# KiCad board pcb.kicad_pcb (continued)
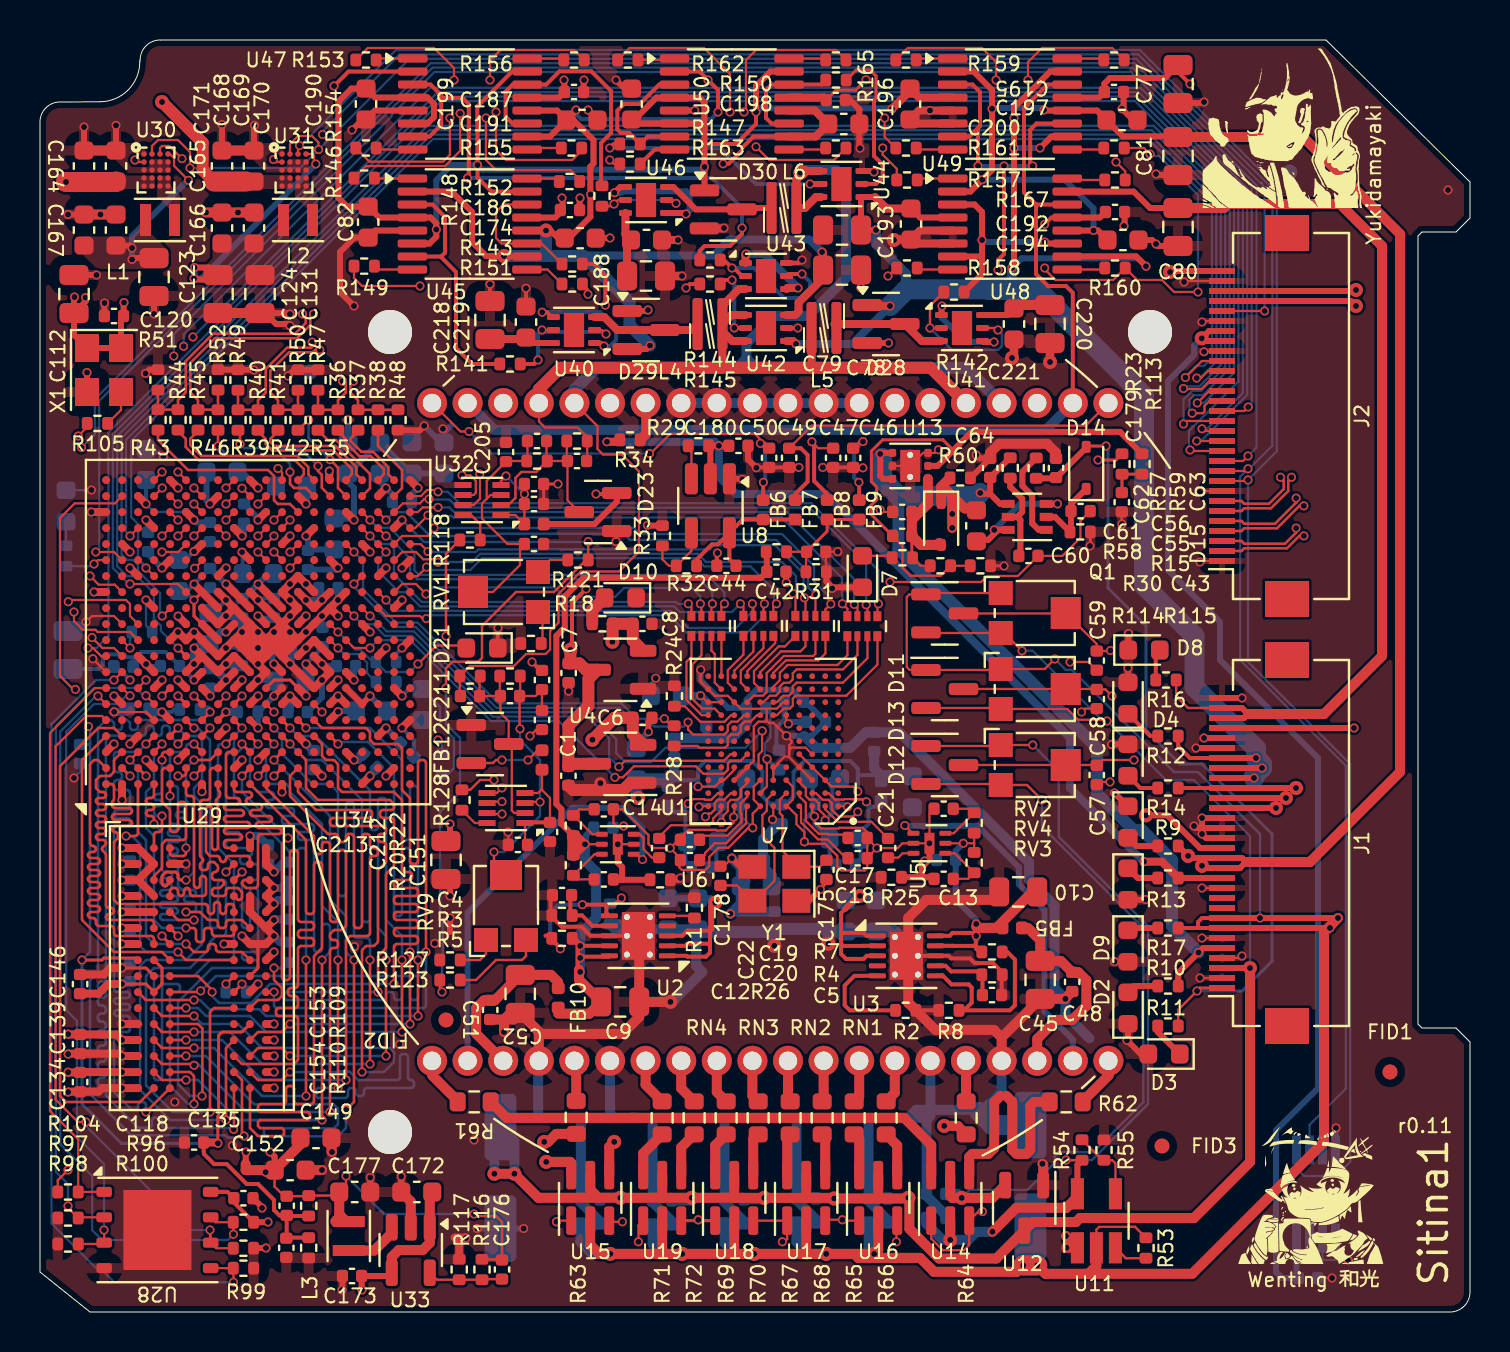
[diagram p0: board, top side]
## Routing (per net, layer and track width the routed paths; a pad name or vN(x,y) marks a point on that pad's centre or on a via; arc(x,y) is an arc through that point) (continued)
  Top w1: v3(49.86,2.33) v3(49.16,2.33)
  In2.Cu w1.5: v1(64.9,19.7) 64.9,22.7 66.1,23.9 66.1,28.8 v1(65.7,29.2)
  Bottom w0.12: v1(50.74,32.65) 51.28,32.11 51.59,32.11 56.7,27 57.9,27 61,23.9 v1(61,19.7)
  Bottom w0.5: C73.2 34.23,3.44 34.77,2.91 v2(35.71,2.91) ; v2(32.11,2.91) 31.12,2.91 30.63,3.4 C74.2 ; C72.2 41.43,3.19 v2(41.71,2.91) ; v2(39.31,2.91) 38.42,2.91 37.82,3.51 37.82,4.42 37.83,4.43 C71.2 ; v2(28.51,2.91) 27.62,2.91 27.02,3.51 C75.2
  Bottom w1: v3(49.86,2.33) v3(49.16,2.33) 49.52,2.69 49.52,5.16
-8VA: length 45.5
  Top w0.3: J1.12 R13.2 ; C180.2 R29.1 33.52,43.22 U8.2
  Top w0.4: v1(28.34,43.51) 28.9,43.51 R34.1 ; R13.2 56.09,22.52 v1(55.2,22.52)
  Bottom w0.4: v1(55.2,22.52) 55.18,22.52 51.5,26.2 51.5,28.7 39.3,40.9 34.8,40.9 33.94,41.76 v1(33.94,43.31) 33.75,43.51 v1(28.34,43.51)
-9V: length 187
  Top w0.2: J1.24 57.5,27.7 56.91,28.29 R12.2 ; v1(35.8,60) 35.8,59.4 34.8,58.4 33.22,58.4 ; U47.15 23.61,62.03 21.87,60.28 21.87,59.52 21.88,59.51 21.88,56.72 22.57,56.03 U45.15
  Top w0.3: 33.22,59.18 32.97,59.43 29.78,59.43 C199.1 29.72,59.63 30.82,60.73 32.97,60.73 33.22,60.48 33.22,59.18 ; 33.22,59.18 D30.1 ; J1.24 v1(60.8,27.7) ; D29.1 30.35,50.05 v1(30.4,50.1) ; 18.62,53.43 19.47,53.43 19.81,53.77 v1(19.81,54.13) 19.81,54.44 19.53,54.73 16.96,54.73 C82.1 15.35,55.27 14.93,55.7 14.93,60.53 15.57,61.18 C190.1 16.75,60.73 19.38,60.73 19.7,60.4 19.7,59.75 19.37,59.43 18.64,59.43 ; J1.23 v1(61.1,27.2) ; C78.1 v1(41.8,54.1) ; C193.1 44,54.73 45.64,54.73 ; v1(35.8,60) 35.8,61.3 36.53,62.03 U50.15 ; v1(55.3,52.29) 54.81,52.78 51.37,52.78 U48.10 ; 41.75,55.75 U44.1 41.05,55.7 41.05,54 ; U49.10 50.57,58.78 v1(50,58.2) ; J1.22 v1(60.7,26.7) ; v1(48.6,52.2) 48.7,52.3 v1(48.7,59.7) 48.7,60.21 50.51,62.03 U49.15
  Top w0.4: D28.1 41.41,50.3 v1(42.5,50.3) ; v1(42.6,60.16) 43.5,61.06 C196.1 43.95,60.73 45.64,60.73 ; v1(37.8,48.4) 37.65,48.55 U42.1 ; 41.75,55.75 42.32,55.18 C193.1
  In2.Cu w0.3: v1(48.7,59.7) 48.59,59.59 43.17,59.59 v1(42.6,60.16)
  In2.Cu w0.4: v1(30.4,50.1) 31.3,50.1 33,48.4 v1(37.8,48.4)
  Bottom w0.3: v1(55.3,52.29) 54.9,52.69 49.09,52.69 v1(48.6,52.2) ; v1(42.6,60.16) 42.57,60.19 35.99,60.19 v1(35.8,60) ; v1(33.22,57.25) 33.09,57.12 22.11,57.12 v1(21.88,57.35) 20.57,57.35 19.81,56.59 v1(19.81,54.13) ; v1(50,58.2) v1(48.7,58.2)
  Bottom w0.4: v1(42.5,50.3) 40.6,48.4 v1(37.8,48.4)
  Bottom w0.5: 43.3,51.1 43.3,51.9 41.8,53.4 v1(41.8,54.1) ; 43.3,51.1 48,51.1 48.6,51.7 v1(48.6,52.2) ; 43.3,51.1 v1(42.5,50.3)
  Bottom w1: v1(42.5,50.3) 43.34,51.14 47.44,51.14 47.47,51.1 49.9,51.1 55.2,45.8 55.2,36.33 57.72,33.8 57.72,31.25 60.8,28.18 v1(60.8,27.7) 61.1,27.4 v1(61.1,27.2) 60.7,26.8 v1(60.7,26.7)
-15V: length 41.8
  Top w0.12: R11.2 56.91,15.11 v1(57.85,16.05)
  Top w0.15: v1(53.3,43.3) 52.36,43.3 D14.2 ; v1(57.85,16.05) 58,16.2 J1.1
  Top w0.3: R59.2 50.78,41.69 52.31,43.22 D14.2
  Bottom w0.15: v1(57.85,16.05) 60.11,16.05 61.6,17.54 61.6,23.9 58.1,27.4 57,27.4 55.3,29.1 55.3,34.3 53.4,36.2 53.4,43.2 v1(53.3,43.3)
/afe/AVDDA: length 6.3
  Top w0.11: v1(40.38,25.26) 40.35,25.29 U7.A1 ; v1(39.26,24.58) 39.26,24.81 38.94,25.12 38.94,25.43 38.75,25.62 38.47,25.62 38.29,25.8 38.29,26.17 37.96,26.5 U7.C4
  Bottom w0.2: v1(40.38,25.26) 40.25,25.39 39.59,25.39 39.59,25.42 ; 39.59,25.42 39.62,25.45 39.62,26.21 39.52,26.31 39.52,26.66 ; 39.59,25.42 39.59,24.92 v1(39.26,24.58)
/afe/AVDDB: length 6.7
  Top w0.11: v1(34.07,24.48) 34.16,24.58 34.16,24.81 34.39,25.04 34.39,25.46 34.54,25.61 34.87,25.61 35.04,25.78 35.04,26.14 35.36,26.46 U7.C8 ; U7.A11 32.98,25.29 v1(32.95,25.25)
  Bottom w0.2: C26.2 34.03,26.15 33.76,26.42 C25.2 ; C26.2 34.03,24.52 v1(34.07,24.48) ; C26.2 33.06,25.37 v1(32.95,25.25)
/afe/AVSS: length 32.8
  Top w0.11: C175.1 39.32,21.43 v1(39.02,21.13) ; 33.31,24.76 v1(33.27,24.76) 33.44,24.93 33.55,24.93 33.74,25.12 33.74,25.45 33.91,25.62 34.22,25.62 34.54,25.94 U7.B9 ; v1(34.59,22.69) 34.19,22.29 C178.1 ; v1(40.89,25.01) 40.66,24.78 39.93,24.78 39.59,25.12 39.59,25.44 39.42,25.61 39.13,25.61 38.8,25.94 U7.B3
  Top w0.3: 37.92,20.56 38.45,20.56 v1(39.02,21.13) ; v1(34.59,22.69) 35.02,22.26 35.72,22.26
  In2.Cu w0.3: 34.24,23.04 33.27,24.01 v1(33.27,24.76) ; 34.24,23.04 34.01,22.81 34.01,21.71 35.11,20.61 36.31,20.61 35.62,19.91 v1(34.52,19.91) ; 34.24,23.04 v1(34.59,22.69) ; v1(40.89,25.01) 40.91,24.99 40.91,22.41 39.63,21.13 v1(39.02,21.13)
  In2.Cu w1: v1(39.02,21.13) 36.83,21.13 36.31,20.61
  Bottom w0.5: R27.1 34.63,20.02 v1(34.52,19.91) 35.04,20.43 C37.2 ; v1(34.59,22.69) 35.04,22.25 C37.2 ; C36.2 35.27,21.54 C37.2
/afe/AVSSA: length 41.6
  Top w0.11: C18.2 C17.2 ; C18.2 41.36,22.2 41.24,22.08 40.07,22.08 39.86,22.28 39.86,22.8 39.26,23.41 38.32,23.41 v3(38.22,23.51) 38.22,23.99 37.82,24.39 37.82,24.84 37.37,25.29 U7.A5 37.64,25.62 37.64,26.26 U7.C5 ; C18.2 41.36,22.71 v1(41.85,23.2) ; C17.2 41.36,23.99 41.13,24.21 39.97,24.21 39.93,24.17 39.06,24.17 38.73,24.51 38.73,24.79 ; C17.2 41.36,23.68 v1(41.85,23.2) ; v1(41.85,23.2) 42.88,23.2 43.12,23.44 U5.2 v1(44.47,23.44) ; C11.2 44.47,24.93 v1(44.47,23.44) ; 38.77,24.75 38.61,24.9 U7.A3 ; v1(44.23,22.55) 44.47,22.55 v1(44.47,23.44) ; 44.47,21.89 C13.2
  Top w0.3: 44.09,22.24 44.47,22.63 v1(44.47,23.44) ; 44.09,22.24 44.09,21.74 ; 44.09,22.24 44.09,22.41 v1(44.23,22.55) ; C13.2 44.63,21.74 44.09,21.74 ; 44.09,21.74 R25.1
  In3.Cu w1: 42.81,23.2 v1(41.85,23.2) ; 42.81,23.2 38.81,23.2 38.42,23.59 38.42,24.79 ; 42.81,23.2 44.07,23.2 44.47,22.79 ; 44.23,22.56 44.24,22.56 44.47,22.79 ; v1(44.47,23.44) 44.47,22.79
  Bottom w0.11: 38.77,24.75 38.73,24.79 38.69,24.75 38.35,24.75 38.22,24.62 v3(38.22,23.51) ; v1(41.85,23.2) 41.79,23.2 ; C15.2 44.29,22.6 v1(44.23,22.55)
  Bottom w0.2: 38.73,24.79 38.73,24.4 C39.2 39.48,22.69 C38.2 ; C23.1 38.63,26.48 38.63,25.03 38.35,24.75
  vias: v3(38.72,24.79)
/afe/AVSSB: length 40.9
  Top w0.11: v3(34.68,24.75) 34.71,24.78 U7.A9 ; v1(31.51,23.2) 30.63,23.2 30.42,23.41 30.42,23.85 29.14,25.14 C14.2 28.67,24.46 28.83,24.3 v1(29.18,24.3) ; v1(31.51,23.2) 31.97,22.74 31.97,22.23 32.09,22.1 33.26,22.1 33.46,22.31 33.46,22.75 33.92,23.21 34.42,23.21 35.42,24.21 v3(35.64,24.21) 35.64,24.91 U7.A7 35.69,25.62 35.69,26.27 U7.C7 ; v1(31.51,23.2) 32.42,24.11 33.79,24.11 33.82,24.07 34.28,24.07 34.68,24.48 34.68,24.77 ; U6.2 v1(28.89,23.39)
  Top w0.3: 29.11,21.61 R26.1 ; 29.11,21.61 29.11,22.25 28.89,22.47 v1(28.89,23.39) ; 29.11,21.61 28.69,21.61 C12.2
  In3.Cu w1: v1(28.89,23.39) 28.89,24.01 ; 28.89,24.01 30.41,24.01 31.31,23.11 33.51,23.11 33.98,23.57 34.95,23.57 34.95,24.75 35.1,24.75 v3(35.64,24.21) ; 28.89,24.01 v1(29.18,24.3)
  Bottom w0.11: v1(31.51,23.2) 31.53,23.22 31.53,23.22 ; 34.56,24.77 34.68,24.77 ; v1(29.18,24.3) 29.11,24.22 C16.2 ; v3(35.64,24.21) 35.1,24.75 v3(34.68,24.75)
  Bottom w0.2: C26.1 34.99,24.8 35.05,24.75 ; C26.1 35.05,25.42 35.05,26.28 35.31,26.55 C25.1 ; C26.1 35.07,25.28 35.07,24.28 34.31,23.51 33.82,23.51 33.82,22.54 C40.2
/ccd/VDDL: length 8.1
  Top w0.5: 25.91,16.49 25.55,16.86 C52.1 22.74,15.59 22.2,15.59 21.81,15.19 21.81,13.91 U10.18
/ccd/VDDR: length 10.1
  Top w0.5: 49.4,19.21 50.01,18.59 C45.1 51.04,17.56 C48.1 51.92,16.99 52.32,16.59 52.32,15.31 51.61,14.61 50.81,14.61 49.86,13.65 U10.3
/ccd_driver_v_adiabatic/V1_PDN_drive: length 5.9
  Top w0.2: 37.45,59.43 36.57,59.43 36.3,59.7 36.3,61.1 36.57,61.38 U50.14 39.09,61.38 39.32,61.6
/ccd_driver_v_adiabatic/V1_PLO_drive: length 7.7
  Top w0.2: U50.7 30.38,58.78 R147.2 29.46,58.95 29.05,58.95 28.87,59.14 28.87,60.07 29.2,60.4 29.99,60.4 30.97,61.38 U50.3
/ccd_driver_v_adiabatic/V1_SELL_drive: length 13.5
  Top w0.2: 24.36,59.43 23.63,59.43 23.28,59.77 23.28,61.02 23.64,61.38 U47.14 25.31,61.38 25.97,62.04 27.56,62.04 28.56,61.05 28.56,58.96 28.06,58.46 28.06,56.36 R148.2
/ccd_driver_v_adiabatic/V1_VMIDL: length 3.3
  Top w0.4: C188.1 29.35,53.4 C189.1 29.27,53.88 U46.6
/ccd_driver_v_adiabatic/V2_PDN_drive: length 6.8
  Top w0.11: R143.1 25.07,53.43 23.07,53.43 22.8,53.7 22.8,55 23.18,55.38 U45.14
/ccd_driver_v_adiabatic/V2_PHI_drive: length 36.3
  Top w0.2: U49.7 46.47,58.78 47,59.3 ; v1(48.2,57.3) 48.2,52.9 47.9,52.6 v1(47.9,52.1) ; 47,59.3 46.9,59.2 v1(46.9,57.3) ; 47,59.3 47,61 46.62,61.38 U49.3 ; v1(49.63,57.3) 49.51,57.43 49.51,59.11 49.82,59.43 51.36,59.43 ; R145.1 32.5,51.4 v1(32.3,51.2)
  In2.Cu w0.2: v1(47.9,52.1) 47.76,52.24 42.22,52.24 41.97,51.98 41.97,51.42 41.31,50.77 32.74,50.77 v1(32.3,51.2)
  Bottom w0.2: v1(49.63,57.3) v1(46.9,57.3)
/ccd_driver_v_adiabatic/V2_PLO_drive: length 28.6
  Top w0.2: U47.7 19.47,58.78 20.06,59.36 20.06,60.7 ; 20.06,60.7 21.13,60.7 21.44,60.39 21.44,56.76 v1(21.38,56.69) ; 20.06,60.7 20.06,60.84 19.53,61.38 U47.3 ; R144.2 32.99,53.06 33.23,53.3 34.5,53.3 35.1,53.9 v1(35.1,54.2)
  Bottom w0.2: v1(21.38,56.69) 21.38,56.7 33.6,56.7 35.1,55.2 v1(35.1,54.2)
/ccd_driver_v_adiabatic/V2_SELH_DRIVE: length 14.8
  Top w0.11: 47.07,52.78 47.1,52.8 ; 47.1,52.8 47.1,55 ; 47.1,52.8 47.1,52
  Top w0.3: R142.2 47.1,51.89 v1(47.1,53.6) 47.1,55 46.72,55.38 U48.3 ; 51.36,53.43 50.31,53.43 v1(50.24,53.5) ; U48.7 47.07,52.78
  Bottom w0.3: v1(47.1,53.6) 47.2,53.5 v1(50.24,53.5)
/ccd_driver_v_adiabatic/V2_SELL_drive: length 12.8
  Top w0.2: R141.2 21.6,47.4 20.8,48.2 20.8,52 20.04,52.76 ; U45.3 19.62,55.38 20.25,54.75 20.25,52.96 20.04,52.76 ; 20.04,52.76 20.03,52.78 U45.7
/ccd_driver_v_adiabatic/V2_VMIDH: length 3.6
  Top w0.3: C221.1 48.38,49.85 U41.6
  Top w0.5: C221.1 48.88,50.35 C220.1
/ccd_driver_v_adiabatic/V2_VMIDL: length 3.3
  Top w0.3: C219.1 24.57,48.45 U40.6
  Top w0.4: C219.1 24.22,48.65 C218.1
/fpga_power/VCCPLL: length 8.6
  Top w0.4: 8.1,32 7.7,31.6 v1(7.7,31.6)
  Bottom w0.2: 4.81,32.74 4.69,32.61 4.69,32.28 ; 4.81,32.74 4.32,32.74 4.18,32.88 3.3,32.88 3.14,32.72 3.14,32.37 2.93,32.15 C114.2 ; 4.81,32.74 5.07,33 6.28,33 C113.2 7,32.3 v1(7.7,31.6)
GND: length 526.8
  Top w0.1: 3.68,29.99 3.68,29.98 3.67,29.97 arc(3.7,29.99) 3.74,30 5.3,30
  Top w0.11: v3(37.32,28.81) 37.42,28.81 37.47,28.86 ; v3(37.32,28.81) 36.68,29.45 36.45,29.45 36.33,29.57 ; v3(37.32,28.81) 37.58,28.55 37.58,28.47 37.46,28.35 ; v1(58.1,49.5) 58.15,49.55 J2.25 ; v1(2.64,32.66) U27.A8 ; 37.46,27.91 37.46,27.74 U7.D4 U7.C3 ; 37.46,27.91 37.46,28.11 ; 37.46,27.91 37.46,28.35 ; 38.61,27.89 38.28,28.22 37.58,28.22 37.46,28.11 ; 36.35,30.17 36.84,30.17 37.17,30.49 U7.J5 ; 36.35,30.17 36.34,30.16 35.04,30.16 U7.J9 34.39,30.81 33.74,30.81 U7.K11 33.04,31.52 v1(33.04,32.1) ; 36.35,30.17 36.33,30.15 36.33,29.57 ; 36.33,29.57 36.28,29.52 35.93,29.52 35.69,29.28 35.69,27.56 35.37,27.24 U7.D8 35.35,27.24 34.71,26.6 U7.C9 ; J2.22 58.24,48.05 v1(58.2,48.01) ; R31.2 39.29,37.04 C43.2 39.88,38.01 v1(39.89,38.02) ; U7.C6 U7.D6 36.75,27.24 36.87,27.37 36.87,27.42 37.22,27.77 37.42,27.77 ; 37.46,28.35 37.46,28.11 ; J2.29 57.25,51.55 v1(57.2,51.5) ; U27.B11 3.7,34.8 2.6,34.8 v1(2.3,34.5) ; v1(58,41) 58.05,41.05 J2.8 ; 48.53,48.22 48.52,48.21 ; C56.1 42.11,40.01 v1(42.01,40.11) ; v1(58,37.5) 58.05,37.55 J2.1 ; v1(44.92,43.11) 44.77,42.96 U13.3 44.16,42.96 U13.7 U13.5
  Top w0.12: v1(23.1,26.2) 22.84,25.95 U34.5 ; v1(23.4,24) 23.42,23.98 23.42,23.4 ; C211.1 24.82,29.12 v1(24.5,28.8) ; J1.11 v1(58.1,21.2) ; J1.2 v1(58,16.7) ; v1(60.1,17.8) 60,17.7 J1.4 ; J1.6 v1(58.1,18.7)
  Top w0.15: v1(48.2,37.3) 48.19,37.31 R115.1 ; v1(52.5,38.3) 52.52,38.32 R58.2 ; v1(4.1,17.2) 5.26,17.2 arc(5.3,17.19) 5.33,17.17 5.7,16.8 ; 5.7,29.6 5.3,30 ; C179.1 54.09,39.41 v1(54.1,39.4) ; D23.1 28.84,38.56 v1(28.8,38.52) ; v1(25.9,41.4) C202.1 C201.2 ; 5.7,32 4.9,32.8 ; 10.9,18.4 10.9,17.24 arc(10.89,17.2) 10.87,17.17 10.5,16.8
  Top w0.2: C210.2 25.02,32.08 v1(24.6,32.5) ; 43.41,18.01 43.61,17.81 45.43,17.81 45.56,17.68 46.5,17.68 46.73,17.44 47.66,17.44 48.11,16.99 R4.2 48.08,16.83 C5.2 ; 30.22,18.74 30.15,18.81 27.52,18.81 27.07,19.26 26.09,19.26 25.53,19.83 ; v1(41.15,42.21) 41.12,42.23 C46.2 C47.2 v1(39.14,42.23) ; v1(37.94,42.23) C49.2 C50.2 35.84,42.23 v1(35.82,42.21) ; 25.53,19.83 25.53,19.83 ; 25.53,19.83 25.53,20.81 25.56,20.84 ; C219.2 v1(24.3,51.19) ; C218.2 v1(22.5,51.39) ; v1(22.9,34.2) 22.89,34.19 D21.1 ; v1(33.87,37.95) 33.84,37.92 C44.1 ; v1(38.1,52.6) 37.95,52.45 U43.6 ; R2.2 R8.2
  Top w0.3: D2.1 54.4,13.64 v1(54.35,13.59) 55.03,12.9 D3.2 ; v1(3.22,50.45) 3.22,50.45 C120.1 ; C174.1 28.5,53.7 v1(28.5,53.7) ; v1(53.72,25.95) 54.39,25.29 D1.1 ; v1(30.42,29.01) 30.42,29.53 C6.2 ; v1(11.3,3.2) 10.88,3.2 10.87,3.19 R100.1 ; C168.2 v1(9.1,59.38) ; v1(55.28,20.63) 55.26,20.61 D5.2 ; C173.1 15.12,1.12 v1(15.1,1.1) ; 58.1,24.2 v1(58.1,24.7) J1.18 ; 58.1,24.2 v1(58.1,23.9) 58.3,23.7 J1.16 ; 58.1,24.2 J1.17 ; 58.1,24.2 57.8,24.2 v1(57.7,24.3) ; v1(55.8,56.9) 55.85,56.85 C81.1 ; v1(12.4,46.8) 12.71,47.11 R50.1 R47.1 ; v1(35.12,41.63) 35.09,41.66 U8.1 ; v1(12.5,49.31) 12.41,49.4 11.8,49.4 11.25,49.95 C124.2 ; C123.2 v1(5.7,49.9) ; v1(53.72,17.51) D9.2 ; v1(32.02,21.7) 31.93,21.61 R26.2 ; v1(41,58.19) 40.97,58.23 C200.1 40.97,60.14 40.5,60.6 C198.1 ; v1(11.7,30.8) 12.1,31.2 U27.M7 ; 20.5,19 v1(20.5,19.7) ; C165.2 v1(3.8,59.34) ; U27.K5 v1(10.9,29.2) ; C80.1 55.9,53.3 v1(55.8,53.4) 55.6,53.6 C194.1 ; X1.2 v1(2.35,46.98) ; C187.1 27.18,61.58 v1(27.2,61.6) ; U45.5 16.76,54.08 C82.2 15.72,53.72 15,53 15,51 v1(15.7,50.3) ; R51.1 5.46,47.12 v1(5.27,46.93) ; v1(53.57,28.38) 53.59,28.39 D6.1 ; C191.1 27.88,59.63 v1(27.4,60.1) ; v1(30.37,39.33) 30.38,39.32 R33.2 ; R52.1 9.89,47.12 R49.1 10.69,47.11 v1(10.7,47.1) ; C180.1 35.4,42.63 v1(35.82,42.21) ; C77.1 58.15,60.45 v1(58.2,60.5) ; v1(1.4,54.88) C167.2 v1(3.03,54.88) C166.2 ; v1(39.61,36.18) 39.62,36.19 39.62,36.23 ; 20.5,21.65 v1(20.5,20.8) ; v1(54.43,33.93) 54.41,33.91 D8.1 ; v1(46.81,42.85) 46.98,42.69 C62.1 46.53,41.71 46.42,41.71 ; v1(16.5,30.8) 16.1,30.4 U27.U6 U27.T7 ; v1(12.5,49.9) 12.45,49.95 C131.2 ; D7.1 39.62,36.23 ; 39.62,36.23 39.32,36.53 R31.2 ; C186.1 26.98,55.68 v1(27,55.7) ; 16.51,6.4 v1(16.51,6.73) C177.2 ; D4.2 v1(54.4,32.2) ; C112.1 v1(2.82,51.85) ; C7.2 v1(26.43,31.04) ; C172.2 v1(18.06,6.78) 18.06,6.45 ; U50.5 v1(32.74,60.08) ; C195.1 54.18,60.24 v1(54.1,60.16) 54.66,59.6 C197.1 ; v1(10.72,59.34) 10.7,59.31 C169.2 ; v1(37.31,36.47) 37.3,36.48 C42.2 ; v1(41.7,57) 41.65,57.05 U44.3 ; C118.1 11.1,5.24 v1(11.1,5.2) ; C79.1 v1(41.05,51.2) ; v1(19.21,44.31) 18.99,44.09 R48.1 ; C164.2 v1(2.2,59.25) ; C192.1 54.23,54.33 v1(54.2,54.3) ; C199.2 29.22,61.18 v1(28.8,61.6) ; J1.25 v1(57.8,28.2) ; J1.26 v1(58.2,28.7) ; v1(15.6,59.1) 16.12,59.63 C190.2 16.75,60.08 U47.5 ; J1.30 v1(60.1,30.7)
  Top w0.4: 10.1,33.2 v1(10.9,34) ; 10.1,33.2 10.5,32.8 ; 10.1,33.2 9.7,33.6 ; v1(10.9,34) 10.5,34.4 ; v1(10.9,34) 11.3,33.6 ; 4.9,14.4 v1(4.1,14.4) ; 11.3,32.8 11.7,33.2 ; 11.3,32.8 10.5,32.8 ; 11.3,32.8 11.3,33.6 ; 11.3,32.8 v1(10.9,33.2) ; 11.3,32.8 v1(10.9,32.4) ; 11.7,33.2 v1(10.9,33.2) ; 11.7,33.2 12.1,32.8 ; 11.7,33.2 12.5,33.2 ; 11.7,33.2 12.1,33.6 ; 10.5,32.8 10.5,34.4 ; 10.5,32.8 v1(10.9,32.4) ; 10.5,32.8 v1(10.9,33.2) ; 10.5,34.4 v1(10.1,34) ; 10.5,34.4 9.7,35.2 ; v1(7.7,38.03) 7.72,38.03 8.1,38.4 ; 11.3,33.6 12.1,33.6 ; 11.3,33.6 9.7,33.6 ; 11.3,33.6 v1(10.9,33.2) ; 11.3,33.6 v1(11.7,34) ; 12.1,33.6 v1(12.5,34) ; 12.1,33.6 v1(11.7,34) ; 12.1,33.6 12.1,32.8 ; 12.1,33.6 12.9,33.6 ; 4.9,32.8 v1(5.3,32.4) U27.D8 ; U29.T1 3.1,11.2 2.92,11.02 C134.2 1.42,11.02 v1(1.4,11) ; 18.5,29.6 v1(18.1,29.2) ; 7.3,28 v1(6.9,27.6) ; 12.1,26.4 v1(12.1,26) ; 14.5,35.2 v1(13.3,34) 12.9,33.6 ; 14.5,35.2 v1(14.9,34.8) ; 14.5,35.2 v1(14.9,35.6) 15.3,36 ; C189.2 v1(31.9,53.6) ; v1(10.1,38) 10.1,38 10.5,37.6 ; 9.7,33.6 v1(9.3,33.2) 8.9,32.8 8.1,33.6 ; 9.7,33.6 v1(10.1,34) ; v1(10.9,33.2) v1(10.1,34) ; 12.1,34.4 v1(12.5,34) ; 12.1,34.4 v1(12.5,34.8) 12.9,35.2 v1(12.5,35.6) 12.1,36 v1(12.5,36.4) 12.9,36.8 v1(13.3,36.4) 13.7,36 ; 12.1,34.4 v1(10.9,35.6) 10.5,36 ; 12.1,34.4 v1(11.7,34) ; v1(12.5,34) 12.9,33.6 ; v1(12.5,34) v1(11.7,34) ; v1(12.5,34) 12.5,33.2 ; 6.5,33.6 v1(6.9,34) U27.F10 v1(7.7,34) U27.G10 ; 12.5,33.2 12.9,33.6 ; 12.5,33.2 12.1,32.8 ; 12.1,32.8 v1(12.5,32.4) 13.7,31.2 14.5,32 v1(14.1,32.4) 13.7,32.8 ; 9.7,35.2 v1(9.3,34.8) 8.9,34.4 8.1,35.2 ; 9.7,35.2 v1(9.3,35.6) 8.9,36 ; 3.3,40 v1(2.57,40) ; 11.3,40 v1(10.9,39.6) ; 16.9,32.8 v1(17.3,33.2) ; 11.3,11.2 v1(11.7,11.2) ; C146.2 3.18,16.88 3.51,17.2 v1(4.1,17.2) ; v1(21.3,3.7) 21.28,3.72 20.74,3.72 20.96,3.5 R117.1 ; v1(1.4,12.9) 1.42,12.92 C139.2 3.98,12.92 v1(4.1,12.8) 4.9,12.8 ; 11.3,19.2 10.5,20 10.5,20.8 ; 11.3,19.2 v1(11.7,19.6) ; 11.3,19.2 v1(11.7,18.8) 11.3,18.4 10.5,18.4 v1(10.1,18.8) ; 8.9,31.2 v1(9.3,31.6) 9.7,32 ; 5.7,39.2 v1(5.3,39.6) ; v1(10.9,32.4) 11.3,32 v1(10.9,31.6) 10.5,31.2 ; C220.2 v2(50.5,47.5) ; 12.9,28.8 v1(13.3,28.4) ; 45.64,53.43 43.75,53.43 C193.2 ; 11.3,14.4 v1(11.7,14.4) ; v2(42.7,53.6) 42.72,53.63 C193.2 ; C193.2 44,54.08 U48.5 ; U49.5 43.95,60.08 C196.2 43.7,59.43 45.64,59.43 ; 16.9,40.8 v1(17.3,41.2) ; 8.9,40.8 v1(8.5,40.4) ; 9.7,27.2 v1(10.1,27.6) ; 15.3,28 v1(15.7,27.6) ; 11.3,12.8 v1(11.7,12.8) ; 4.9,28.8 v1(4.5,28.4) ; 6.5,41.6 v1(6.9,41.2) ; 4.1,26.4 v1(4.1,25.6) ; 14.5,41.6 14.46,41.64 v1(14.46,42.05) ; 4.9,22.4 4.11,22.4 v1(4.1,22.4) ; 13.7,39.2 v1(13.3,38.8) ; 5.7,20 v1(4.1,20) ; 16.1,38.4 v1(16.5,38) ; 11.3,23.2 11.3,22.4 v1(11.7,22) ; 6.5,22.4 v1(7.3,22.4) ; 18.5,37.6 v1(18.1,37.2) ; 4.9,18.4 v1(4.1,18.4) ; v1(4.1,20.8) 4.9,20.8 ; D30.2 34.18,54.18 v1(34.2,54.2) ; 4.9,36.8 v1(4.5,37.2) ; 17.7,35.2 v1(18.1,35.6) ; v2(48.6,47.7) 48.7,47.8 C221.2 ; C188.2 v1(32.1,51.8) ; 17.7,27.2 v1(17.3,26.8) ; 7.3,31.2 v1(6.9,31.6)
  Top w0.5: 48.08,13.72 C45.2 51.24,15.66 C48.2 ; 48.08,13.72 47.7,14.11 44.77,14.11 43.41,15.47 ; 48.08,13.72 U10.4 ; C164.2 C165.2 ; 43.41,15.47 R2.2 ; 43.41,15.47 43.41,19.71 44.31,20.61 47.56,20.61 C10.2 ; v1(51.32,3.21) U11.1 51.87,3.23 v1(51.3,3.8) ; C152.2 14.1,7.1 v1(14.1,7.1) ; C51.2 23.68,14.63 C52.2 ; C62.1 47.51,42.96 47.96,43.41 50.36,43.41 50.8,42.97 C63.2 ; C52.2 23.53,14.96 23.2,14.63 v1(23.2,14) ; C52.2 24.94,14.03 24.94,13.91 ; 24.94,13.91 29.11,13.91 29.96,14.76 C9.2 ; 24.94,13.91 U10.17 ; C149.2 14.57,8.03 v1(14.6,8) ; v1(8.3,54.98) C171.2 v1(9.9,54.98) C170.2 ; C124.2 C131.2 ; U12.1 50.16,7.37 v1(50.12,7.41) ; C9.2 v2(31.52,15.51) ; C9.2 29.96,18.48 30.22,18.74 ; C168.2 C169.2 ; U33.2 18.54,5.53 C172.2 ; C166.2 C167.2
  Top w0.6: 28.02,26.1 v1(28.02,26.44) ; 28.02,26.1 29.17,26.1 29.53,26.46 U1.1 ; 28.02,26.1 26.65,26.1 C1.2
  Bottom w0.11: 64.2,2.6 64.12,2.6 U9.6 ; 64.2,2.6 64.8,2.6 ; 64.2,2.6 63.7,2.6 63.47,2.83 U9.7 ; U9.5 64.78,2.63 64.8,2.6 ; 64.8,2.6 v1(65.4,2.6) ; C181.1 v1(64.6,1.7) ; C35.1 30.54,31.45 v1(30.79,31.69) ; v1(1.7,26.7) 2,27 C141.2 ; v1(2.57,41.1) 2.56,41.09 D22.1
  Bottom w0.2: C158.2 8.19,38.52 v1(7.7,38.03) 7.28,37.6 C128.2 ; R6.2 29.57,19.39 30.22,18.74 ; C125.2 8.68,36.22 v1(9.3,35.6) 8.65,34.95 C129.2 ; v1(11.7,30.8) 11.72,30.83 C121.2 10.95,31.55 v1(10.9,31.6) ; C145.2 18.69,28.61 v1(18.1,29.2) 18.5,29.6 C163.2 ; v1(10.1,38) 10.13,37.97 C122.2 ; 5.3,42.98 5.96,42.98 v1(6.17,42.77) ; v1(5.3,32.4) 5.4,32.3 C113.1 ; v1(10.9,35.6) 10.98,35.68 C83.2 ; 14.12,34.23 14.12,34.78 v1(14.1,34.8)
  Bottom w0.3: v1(14.1,31.6) 14.1,30.74 C110.1 ; v1(64.8,9.2) 64.78,9.18 U9.4 ; C119.2 v1(14.9,35.6) ; v1(10.9,29.2) 10.89,29.21 R107.1 10.91,30.01 v1(11.7,30.8) ; v3(37.32,28.81) 38.21,28.81 38.21,28.81 38.58,28.81 C33.1 38.28,30.51 C27.1 37.59,31.11 35.82,31.11 35.33,30.62 C28.1 34.41,30.21 33.04,31.58 v1(33.04,32.1) ; C132.2 18.6,43.7 v1(19.21,44.31) 20.04,43.48 C133.2 20.2,43.98 20.55,44.33 ; C114.1 1.85,34.05 v1(2.3,34.5) ; C184.2 17,41.5 v1(17.3,41.2) 17.62,40.88 C156.2 ; C148.2 17.25,30.05 v1(16.5,30.8) ; v1(10.9,39.6) 10.9,39.7 C159.2 ; v1(14.1,32.4) 14.2,32.3 C162.2 ; C185.2 v1(15.4,44.6) ; 21.82,4.21 v1(21.86,4.17) C53.2 v1(24.18,4.17) 24.22,4.21 ; v1(5.3,39.6) 5.4,39.5 5.4,38.96 ; 8.32,41.8 8.32,40.58 v1(8.5,40.4) ; C30.1 29.82,28.41 v1(30.42,29.01) ; v1(9.3,33.2) 9.38,33.28 C126.2 ; v1(13.3,38.8) 13.4,38.7 C155.2 13.44,38.13 C130.2 ; C127.2 12.58,32.48 v1(12.5,32.4)
  Bottom w0.4: R111.1 12,18.5 v1(11.7,18.8) ; 8.5,32.18 8.72,32.18 v1(9.3,31.6) ; C140.2 11.7,22.1 v1(11.7,22) 12.2,22.5 C147.2 ; 33.29,28.69 33.32,28.71 C34.1 ; v1(13.3,28.4) 13.7,28 ; v1(3.7,30.01) 4.32,30.01 C138.2 ; C126.2 10.1,33.28 v1(10.1,34) 10.1,34.71 C116.2 10.02,34.8 v1(9.3,34.8) 8.6,34.8 C129.2 ; v1(15.7,27.6) 15.91,27.6 16.17,27.85 ; C137.2 11.74,19.64 v1(11.7,19.6)
  Bottom w0.5: 38.21,28.81 38.81,28.21 40.51,28.21 41.29,28.99 C32.1 42.97,28.99 48.47,23.48 48.47,23.46 49.46,22.47 49.46,21.6 50.73,20.32 50.73,16.2 v1(51.27,15.66) 51.27,14.88 52.47,13.68 ; C75.1 27.98,4.54 27.04,5.48 C67.2 27.04,9.66 ; 37.81,9.71 37.83,9.69 C66.2 37.83,5.59 38.79,4.63 C71.1 ; 37.81,9.71 34.21,9.71 ; 37.81,9.71 41.51,9.71 ; C72.1 42.39,4.59 41.43,5.55 C68.2 41.43,9.63 41.51,9.71 ; 41.51,9.71 43.41,9.71 ; U10.15 28.5,10.29 28.51,10.28 28.51,9.71 ; 44.52,10.26 44.52,9.81 44.41,9.71 43.41,9.71 ; 44.52,10.26 U10.6 ; 44.52,10.26 44.33,10.08 C65.2 44.33,5.8 45.29,4.84 C76.1 ; 29.51,9.71 28.51,9.71 ; 29.51,9.71 34.21,9.71 ; 29.51,9.71 29.81,9.71 ; 28.51,9.71 27.91,9.71 ; 34.21,9.71 34.23,9.69 C69.2 34.23,5.5 35.19,4.54 C73.1 ; v2(31.52,15.51) 31.61,15.51 33.11,17.01 32.81,17.31 32.81,19.01 32.68,19.13 28.76,19.13 R6.2 28.89,19.39 29.11,19.18 ; C31.1 34.59,28.69 35.33,29.43 C28.1 ; 29.81,9.71 30.61,9.71 30.63,9.69 C70.2 30.63,5.5 31.59,4.54 C74.1 ; 29.81,9.71 24.91,9.71 24.91,12.53 U10.17 ; 43.41,9.71 43.81,10.11 46.86,10.11 46.96,10.01 47.06,10.01 48.08,11.02 U10.4 ; U10.28 U10.33
  Bottom w0.6: 39.42,19.16 36.88,19.16 R27.2 ; 39.42,19.16 v2(39.42,18.41) ; 39.42,19.16 39.54,19.03 42.72,19.03 43.41,18.34 43.41,18.01 ; R27.2 v2(36.72,18.31) ; R27.2 32.82,19 32.81,19.01
  Bottom w1: 46.96,10.01 47.62,9.35 C54.1 ; 49.21,8.64 49.16,8.59
  vias: v1(4.1,11.2) v1(6.74,10.5) v1(9.62,8.32) v1(15.72,18.27) v1(17.97,13.38) v1(19.74,18.43) v1(20.15,44.16) v1(21.7,8.6) v1(44.5,60.08) v1(70.4,56.1)
V1_CCD: length 66.8
  Top w0.11: C208.1 20.99,30.83 R125.1 21.49,32.3 23.7,32.3 24.3,32.9 25.28,32.9 25.5,33.12 25.5,34.05 25.93,34.47 25.93,35.91 27.04,37.03 28.95,37.03 29.95,38.03 29.95,42.03 29.1,42.88 28.15,42.88 27.88,43.15 27.88,44.3 U10.25
  Top w0.4: U44.6 38.8,55.75 38.25,55.2 L6.2 37.82,56.62 38.25,57.05 U44.4
  Top w0.5: v2(38.02,56.96) 38.16,56.96 38.25,57.05
  Bottom w0.5: v2(38.02,56.96) 38.16,57.1 39.8,57.1 40.3,56.6 40.3,51.7 38.4,49.8 36.7,49.8 35.32,48.42 35.32,47.61
  Bottom w0.6: U10.25 26.72,46.11 27.81,47.21 34.92,47.21 ; 35.82,47.21 46.32,47.21 U10.37 ; 35.82,47.21 35.72,47.21 35.32,47.61 34.92,47.21 ; 35.82,47.21 34.92,47.21
V2_CCD: length 37.8
  Top w0.11: C204.1 27.36,42.58 R120.1 27.36,43.74 26.88,44.23 25.25,44.23 24.95,44.53 24.95,45.44 U10.24
  Top w0.4: L4.2 34.57,49.85 U42.4 ; L4.2 34.12,47.33 34,47.21 ; L4.2 34.12,50.32 34.95,51.15 U43.3 ; L4.2 34.12,49.04 34.61,48.55 U42.6 ; L5.1 38.58,47.23 38.6,47.21
  Top w0.6: U10.24 24.94,46.13 26.01,47.21 44.54,47.21 U10.36
+DRAM_VREF: length 62.5
  Top w0.11: U27.P6 v1(14.1,30) ; v1(9.3,30.8) 8.9,30.4 U27.H6
  Top w0.15: 4.9,17.6 4.8,17.7 3.2,17.7 3.1,17.6 v1(2.1,17.6) ; 10.5,14.4 10.13,14.03 arc(10.1,14.01) 10.06,14 9.14,14 arc(9.1,13.99) 9.07,13.97 8.93,13.83 8.93,9.81 8.89,9.77 8.89,8.44 v1(8.89,8.44)
  Top w0.2: C154.1 12.34,3.71 C153.2 ; R110.1 12.34,3.72 ; R109.2 12.37,4.8 C153.2 ; C135.1 8.18,8.02 8.2,8 8.2,7.9 8.7,7.4 9.34,7.4 10.33,6.4 10.9,6.4 11.7,5.6 11.7,5.1 11.97,4.83 C153.2
  Top w0.4: C135.1 8.85,8.48 v1(8.89,8.44)
  In2.Cu w0.11: v1(14.1,30) 13.71,29.61 9.88,29.61 9.69,29.79
  In2.Cu w0.127: v1(9.3,30.8) 9.69,30.41 9.69,29.79 9.5,29.6 4.3,29.6 4.1,29.4
  In2.Cu w0.15: v1(2.42,29.28) 2.5,29.2 3.88,29.2 arc(3.91,29.21) 3.93,29.23 4.1,29.4
  Bottom w0.127: 2.5,28.4 2.5,18 v1(2.1,17.6) ; 2.5,28.4 2.5,29.2 v1(2.42,29.28) ; 2.5,28.4 2.48,28.38 C141.1 2.38,28.38
  Bottom w0.15: 4.07,8.43 2.13,10.37 arc(2.11,10.4) 2.1,10.44 v1(2.1,17.6) ; v1(8.89,8.44) 4.08,8.44
+SYS: length 97.4
  Top w0.3: J2.27 65.55,50.55 v2(65.8,50.3) ; J2.28 65.75,51.05 v2(65.8,51.1)
  Top w0.6: 8.7,56.53 8.13,57.09 8.13,58.47 v2(6.1,60.5)
  Top w1: v2(1.3,56.5) 3.78,56.5 C165.1 ; 10.3,56.53 8.7,56.53
  In2.Cu w1: v2(65.8,50.3) 65.8,54.5 57.56,62.75 8.39,62.75 2.15,56.5 v2(1.3,56.5)
+VAB: length 8.7
  Top w0.11: R15.2 44.03,37.31 R114.2
  Top w0.15: 43.62,37.71 43.59,37.74 C56.2
  Top w0.5: U13.1 44.4,40.41 43.59,39.61 ; 43.59,39.61 C56.2 ; 43.59,39.61 C55.2 44.04,38.36 D15.2 44.96,38.45
/afe/CLI: length 5.8
  Top w0.11: 37.92,22.26 37.12,23.06 37.12,24.81 36.99,24.94 36.99,25.62 U7.B5 ; Y1.1 38.99,22.26 C175.2
/afe/CSI_D2_pre: length 7.9
  Top w0.11: U7.H6 36.85,29.84 37.18,30.17 37.49,30.17 37.64,30.32 37.64,30.67 37.78,30.82 40.32,30.82 41.87,32.37 RN1.8
/afe/CSI_D3_pre: length 6.9
  Top w0.11: U7.J6 36.84,30.49 37.17,30.82 37.45,30.82 37.64,31.01 37.64,31.28 37.83,31.47 40.15,31.47 41.37,32.69 RN1.7
/afe/CSI_D4_pre: length 5.6
  Top w0.11: U7.K6 36.66,31.26 36.99,31.58 36.99,31.96 37.38,32.35 39.88,32.35 40.37,32.84 RN1.5
/afe/CSI_D5_pre: length 4
  Top w0.11: RN2.8 39.27,32.93 38.92,32.58 37.29,32.58 36.66,31.95 U7.L6
/afe/CSI_D6_pre: length 3.7
  Top w0.11: RN2.6 38.27,33.28 38.02,33.03 37.05,33.03 36.01,32 U7.L7 36.01,31.98
/afe/CSI_D7_pre: length 3.8
  Top w0.11: U7.K7 35.7,31.46 35.7,32.05 36.93,33.28 37.24,33.28 RN2.5
/afe/CSI_D8_pre: length 7.1
  Top w0.11: RN1.6 40.87,32.85 40.15,32.13 37.83,32.13 37.64,31.94 37.64,31.63 37.47,31.46 37.18,31.46 36.99,31.27 36.99,31.01 36.8,30.82 36.5,30.82 36.17,30.49 U7.J7
/afe/CSI_D9_pre: length 5.3
  Top w0.11: 31.82,28.31 32.87,28.31 32.97,28.21 34.26,28.21 34.39,28.34 34.39,28.71 34.55,28.87 34.89,28.87 35.04,29.02 35.04,29.33 35.23,29.52 35.53,29.52 35.85,29.84 U7.H7
/afe/CSI_D10_pre: length 2.6
  Top w0.11: RN3.8 36.76,33.71 36.76,33.44 35.36,32.04 U7.L8
/afe/CSI_D11_pre: length 3.3
  Top w0.11: U7.K8 35.04,31.46 35.04,32.06 36.17,33.19 RN3.7
/afe/CSI_D12_pre: length 5.9
  Top w0.11: RN2.7 38.77,32.91 38.66,32.8 37.19,32.8 36.33,31.94 36.33,30.99 36.16,30.82 35.69,30.82 U7.J8
/afe/CSI_D13_pre: length 2.5
  Top w0.11: 34.71,31.87 U7.L9 34.71,32.07 35.67,33.02 RN3.6
/afe/CSI_D14_pre: length 3.1
  Top w0.11: RN3.5 35.17,32.87 34.39,32.09 34.39,31.46 U7.K9
/afe/CSI_D15_pre: length 2.9
  Top w0.11: RN4.7 33.57,33.07 33.74,32.9 33.74,31.46 U7.K10
/afe/CSI_DCLK_pre: length 2
  Top w0.11: RN4.8 34.07,31.87 34.06,31.86 U7.L10
/afe/CSI_HD_pre: length 4.7
  Top w0.11: U7.H11 33.08,29.84 32.32,30.6 32.32,32.51 32.57,32.76 RN4.5
/afe/CSI_VD_pre: length 5.1
  Top w0.11: RN4.6 33.07,32.83 32.62,32.38 32.62,30.65 33.1,30.17 33.73,30.17 U7.H10
/ccd/VOD: length 7.9
  Top w0.2: C44.2 34.47,37.64 U8.5 ; U8.5 33.9,38.38 33.59,38.38 32.83,37.62 R32.1 ; U8.5 35.13,39.62 FB7.1
